# KiCad board VCF_VCA_BBD_board.kicad_pcb (continued)
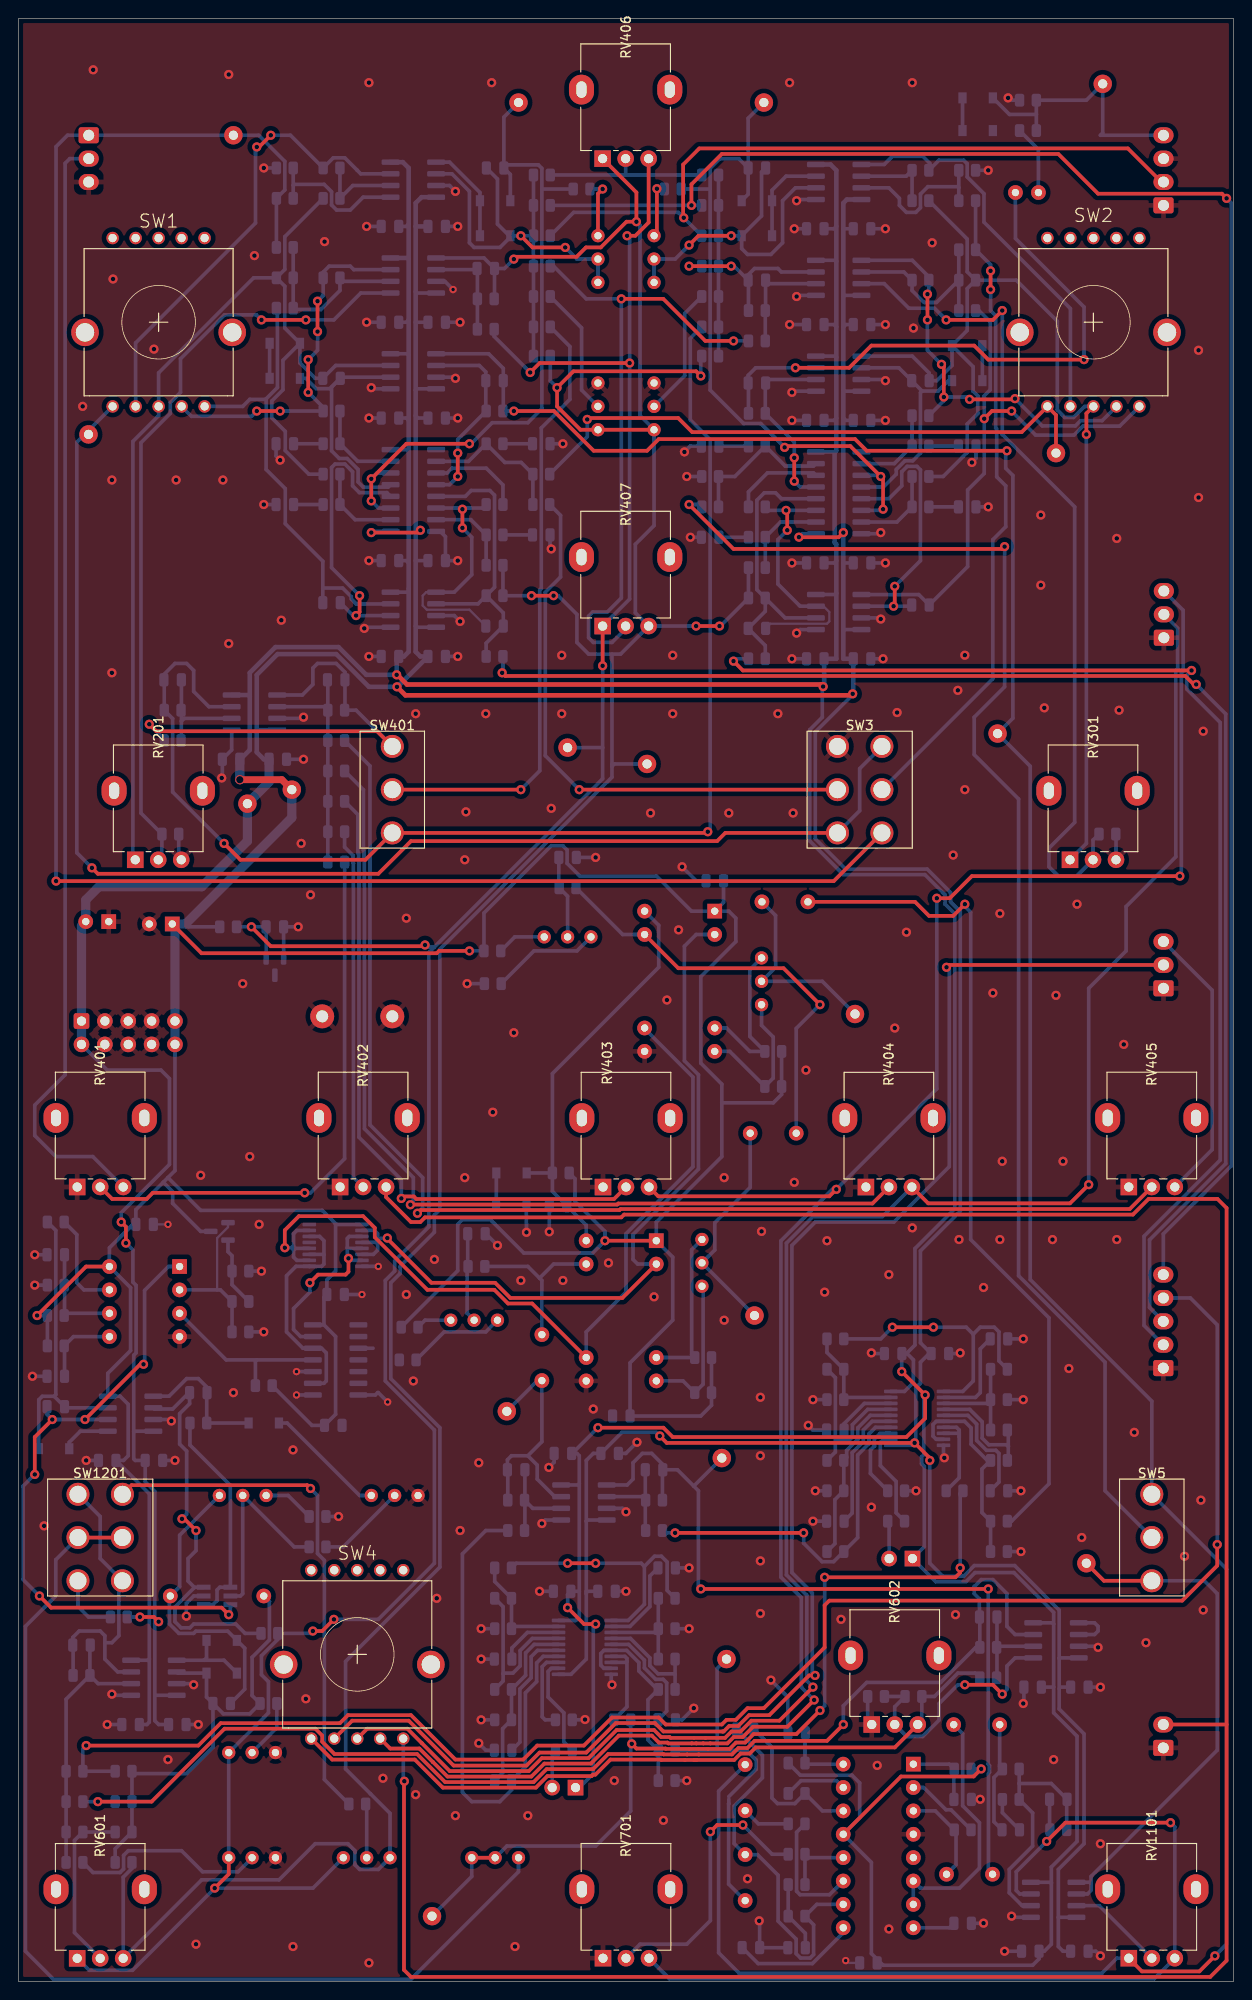
[diagram p0: board, top side]
## Routing (per net, layer and track width the routed paths; a pad name or vN(x,y) marks a point on that pad's centre or on a via; arc(x,y) is an arc through that point) (continued)
  Top w0.4: v1(72.9,186.44) v1(77.47,186.44)
  Bottom w0.4: C402.2 79.35,184.87 R410.2 ; C402.2 79.31,185.49 80.01,186.18 82.55,186.18 82.93,185.8 U7.7 ; C402.2 77.79,186.44 v1(77.47,186.44) ; R416.1 v1(72.9,186.44)
Net-(C403-Pad1): length 12.2
  Bottom w0.4: 23.18,137.29 18.03,137.29 17.71,136.97 ; 17.71,136.97 17.71,134.91 R407.2 ; 17.71,136.97 C403.1
Net-(C403-Pad2): length 143.2
  Top w0.4: v1(74.93,124.97) 74.8,124.84 SW401.1 37.72,121.92 24.13,121.92 v1(22.35,123.7)
  Bottom w0.4: R411.1 73.03,178.59 73.03,169.73 75.18,167.57 75.18,125.22 v1(74.93,124.97) ; v1(22.35,123.7) 16.76,129.29 16.76,137.26 R408.2 15.85,141.44 C403.2 15.81,142.05 17.02,143.26 18.29,143.26 19.05,142.49 19.05,140.21 20.7,138.56 23.18,138.56
Net-(C404-Pad1): length 58
  Top w0.4: v1(77.47,189.74) 73.91,189.74 v1(72.9,188.72)
  Bottom w0.4: D401.2 80.77,191.9 80.77,196.66 C404.1 ; D401.2 78.61,188.34 79.25,187.71 81.79,187.71 83.06,188.98 83.06,193.55 84.45,194.94 U23.6 ; D401.2 R414.2 ; v1(72.9,188.72) 71.38,187.21 RV409.2 RV409.3 ; R415.2 R411.2 R418.1
Net-(C405-Pad1): length 58
  Top w0.4: v1(59.44,188.47) 55.88,188.47 v1(54.61,189.74)
  Bottom w0.4: C405.1 52.07,195.9 52.07,191.01 53.34,189.74 D403.2 ; D403.2 R421.2 ; D403.2 53.47,189.59 52.35,188.47 49.53,188.47 49.02,188.98 49.02,194.56 47.12,196.47 U6.2 ; RV411.3 RV411.2 60.7,187.21 v1(59.44,188.47) ; R422.2 R419.2 R425.2
Net-(C501-Pad1): length 32.1
  Bottom w0.4: U5.2 49.95,149.73 R501.2 ; R502.2 50.84,145.46 52.7,147.32 52.7,148.76 R501.2 ; R501.2 51.75,151.53 51.75,161.54 51.24,162.05 49.21,162.05 48.58,161.42 U3.5
Net-(C501-Pad2): length 28.3
  Top w0.4: v1(48.26,157.99) v1(48.26,160.02)
  Bottom w0.25: U5.1 44.32,151 43.94,150.62 43.94,149.55 44.39,149.1 49.02,149.1 C501.2
  Bottom w0.4: U5.1 47.37,151 49.28,152.91 49.28,156.97 v1(48.26,157.99) ; U3.6 50.46,160.15 R504.1
Net-(C502-Pad1): length 3.2
  Bottom w0.4: C502.1 R503.2
Net-(C503-Pad1): length 3.2
  Bottom w0.4: R508.2 C503.1
Net-(C504-Pad1): length 21.1
  Top w0.4: v1(47.75,163.58) v1(47.75,166.12)
  Bottom w0.4: U4.2 50.1,175.64 50.8,174.94 C504.1 50.8,170.73 R509.1 47.75,167.6 v1(47.75,166.12) ; v1(47.75,163.58) 46.86,162.69 U3.4
Net-(C601-Pad1): length 10.7
  Bottom w0.4: 110.3,36.45 106.45,36.45 R604.1 ; C601.1 106.36,33.06 R603.2
Net-(C701-Pad1): length 5.3
  Bottom w0.4: C701.1 80.43,17.14 R702.2
Net-(C702-Pad1): length 13.6
  Bottom w0.4: U11.9 89.65,5.31 86.3,1.96 80.4,1.96 C702.1
Net-(C703-Pad1): length 7.5
  Bottom w0.4: U11.16 85.61,23.63 R704.2 85.49,27.01 C703.1
Net-(C704-Pad1): length 7.6
  Bottom w0.4: C704.1 85.53,5.25 R705.2 R703.1
Net-(C705-Pad1): length 17.5
  Bottom w0.4: U11.14 87.39,18.55 R706.1 84.39,19.35 82.51,19.35 81.9,19.95 81.9,25.47 C705.1
Net-(C705-Pad2): length 41.9
  Bottom w0.4: U11.10 86.77,8.39 R705.1 86.43,6.17 86.43,2.94 86.05,2.56 85.01,2.56 84.53,3.04 84.53,4.62 82.57,6.58 82.57,11.56 80.33,13.8 C706.2 77.79,15 77.79,19.08 80.86,22.15 80.86,24.61 C705.2
Net-(C801-Pad1): length 12.7
  Bottom w0.4: U12.5 66.33,36.65 68.04,34.94 68.04,34.08 69.27,32.85 70.08,32.85 70.46,32.47 70.46,29.4 C801.1
Net-(C802-Pad1): length 9.7
  Bottom w0.4: C802.1 68.64,44.08 68.64,40.76 66.47,38.6 64.43,38.6
Net-(C803-Pad1): length 7
  Bottom w0.4: U12.18 55.32,37.95 53.63,36.26 C803.1
Net-(C804-Pad1): length 14.3
  Bottom w0.4: C804.1 54.51,26.02 54.51,31.8 55.73,33.02 55.73,35.31 56.42,36 58.71,36
Net-(C805-Pad1): length 11
  Bottom w0.4: C805.1 55.05,49.06 R814.2 ; 58.99,51.44 55.9,51.44 R816.1
Net-(C901-Pad1): length 18.2
  Bottom w0.4: U14.7 58.17,77.98 56.64,76.45 ; 56.64,76.45 56.9,76.2 56.9,70.57 ; 56.64,76.45 55.37,77.72 R903.1
Net-(C902-Pad1): length 9.8
  Bottom w0.4: C902.1 48.83,77.76 R903.2 48.77,77.62 48.77,72.64 RV901.2
Net-(C903-Pad1): length 46.8
  Top w0.4: U15.7 71.73,110.13 83.16,110.13 v1(87.12,106.17)
  Bottom w0.4: C903.1 84.54,103.59 v1(87.12,106.17) ; R908.1 65.68,113.8 U15.7
Net-(C903-Pad2): length 24.4
  Bottom w0.4: TP901.1 80.01,72.4 RV902.2 75.69,79.51 75.69,82.47 79.54,86.32 C903.2
Net-(C904-Pad1): length 9
  Bottom w0.4: C904.1 58.74,118.91 R908.2 59.69,117.96 RV903.2
Net-(C906-Pad2): length 21.5
  Bottom w0.4: TP902.1 87.38,108.71 RV904.2 82.3,110.24 82.3,115.86 C906.2
Net-(C1001-Pad1): length 13.2
  Bottom w0.4: 100.55,61.54 103.2,61.54 104.15,60.59 104.15,58.81 105.22,57.74 106.24,57.74 106.58,57.4 106.58,54.29 C1001.1
Net-(C1002-Pad1): length 10.5
  Bottom w0.4: 100.55,63.49 104.03,63.49 104.54,64.01 104.54,68.77 C1002.1
Net-(C1003-Pad1): length 6.7
  Bottom w0.4: U16.18 91.95,62.84 89.75,60.64 C1003.1
Net-(C1004-Pad1): length 14.1
  Bottom w0.4: 94.82,60.89 92.79,60.89 91.85,59.95 91.85,58.7 90.62,57.48 90.62,50.91 C1004.1
Net-(C1005-Pad1): length 11
  Bottom w0.4: C1005.1 68.14,49.06 R1014.2 ; R1016.1 67.79,52.7 U13.2
Net-(C1101-Pad1): length 10.6
  Bottom w0.4: U11.3 99.66,18.55 R1101.2 101.91,16.31 101.91,12.7 C1101.1
Net-(C1102-Pad1): length 7.2
  Bottom w0.4: 98.06,23.63 101.19,23.63 R1102.2 101.68,23.06 C1102.1
Net-(C1103-Pad1): length 4.6
  Bottom w0.4: U11.8 101.2,5.85 C1103.1
Net-(C1104-Pad1): length 12.3
  Bottom w0.4: C1105.2 106.04,17.37 106.04,22.19 R1103.2 106.65,23.39 C1104.1
Net-(C1104-Pad2): length 27.7
  Bottom w0.4: C1104.2 102.63,26.95 102.63,19.1 104.45,17.28 104.45,12.33 102.29,10.16 98.04,10.16 U11.6 U11.7
Net-(C1105-Pad1): length 4.1
  Bottom w0.4: R1104.2 106.95,18.36 C1105.1
Net-(C1106-Pad2): length 27.3
  Bottom w0.4: 108.77,21.53 R1104.1 110.24,18.33 110.24,14.73 107.7,12.19 107.7,9.65 109.09,8.25 U17.6 ; 108.77,21.53 112.26,21.53 C1106.2 113.94,19.77 R1105.2 ; 108.77,21.53 R1103.1
Net-(C1201-Pad1): length 51.6
  Bottom w0.4: R1225.2 10.52,14.43 R1203.2 12.34,22.61 12.09,22.86 ; R1209.1 27.28,41.3 27.28,37.13 25.4,35.25 25.4,31.09 R1204.2 25.14,29.1 22.27,29.1 C1201.1 ; C1201.1 20.45,30.93 D1203.2 17.33,33.53 17.21,33.66 ; C1201.1 21.15,25.47 18.29,22.61 12.6,22.61 R1201.2
Net-(C1201-Pad2): length 32.3
  Bottom w0.4: C1201.2 24.6,31.78 24.6,36.23 D1204.1 22.75,38.08 19.29,38.08 19.05,37.85 17.44,37.85 16.42,38.87 16.42,41.82 R1209.2 17.53,42.93 17.53,48.52 21.84,52.83 RV1203.3
Net-(C1202-Pad1): length 29.6
  Bottom w0.4: R1210.1 8.66,32.38 U18.6 ; R1210.1 5.18,30.69 R1205.2 R1208.2 ; R1210.1 7.77,36.54 C1202.1
Net-(C1202-Pad2): length 33.5
  Bottom w0.4: SW1201.4 8.89,50.54 8.89,45.97 SW1201.3 10.92,43.18 10.92,37.59 10.16,36.83 9.4,36.83 ; 9.4,36.83 9.4,35.05 10.8,33.66 12.26,33.66 ; 9.4,36.83 9.4,37.59 8.89,38.1 6.6,38.1 5.91,37.4 C1202.2 5.95,36.54 R1210.2
Net-(C1203-Pad1): length 44.1
  Top w0.4: v1(17.78,50.29) 18.03,50.29 v1(19.3,49.02)
  Bottom w0.4: 19.12,42.86 Q1202.6 ; 19.12,42.86 18.44,43.54 18.44,45.97 19.3,46.84 v1(19.3,49.02) ; 19.12,42.86 19.12,42.82 17.02,40.72 17.02,39.12 17.69,38.45 18.63,38.45 19.05,38.86 23.62,38.86 24.64,37.85 R1216.2 ; v1(17.78,50.29) 18.29,50.8 18.29,57.66 17.53,58.42 17.53,61.72 18.61,62.8 C1203.1 18.54,64.01 16.76,62.23 14.79,62.23 U19.2
Net-(C1203-Pad2): length 15.5
  Bottom w0.4: D1201.1 R1219.1 20.47,63.97 C1203.2 20.51,64.58 19.56,65.53 18.29,65.53 16.38,63.63 U19.1
Net-(C1204-Pad1): length 11.6
  Bottom w0.4: C1204.1 5.01,72.43 R1220.1 5.22,72.63 U20.6
Net-(C1205-Pad1): length 73.3
  Top w0.4: v1(22.86,39.88) 22.1,40.64 3.56,40.64 v1(2.29,41.91) ; v1(1.78,55.12) 1.78,59.18 v1(3.68,61.09) ; v1(7.24,61.09) 13.24,67.09 v1(13.6,67.09)
  Bottom w0.4: v1(22.86,39.88) 23.04,40.06 Q1202.3 ; v1(2.29,41.91) 0.51,43.69 0.51,53.85 v1(1.78,55.12) ; U20.1 16.32,77.71 13.72,75.11 13.72,67.2 v1(13.6,67.09) ; C1205.1 3.11,61.66 v1(3.68,61.09) U19.6
Net-(C1205-Pad2): length 32.9
  Bottom w0.4: 3.89,63.61 C1205.2 5.14,62.36 U19.7 ; 3.89,63.61 4.06,63.78 4.06,81.64 R1222.1 ; 3.89,63.61 2.59,63.61 2.21,63.23 2.21,57.92 D1202.1
Net-(C1206-Pad1): length 8.7
  Bottom w0.4: C1206.1 5.01,69.05 R1223.2 5.98,70.09 U20.5
Net-(C1301-Pad1): length 32.6
  Bottom w0.4: R1302.2 81.18,145.2 C1301.1 81.18,148.93 R1301.2 ; R1301.2 80.26,151.28 80.26,160.99 81.07,161.8 82.3,161.8 82.93,161.16 86.68,161.16 ; R1301.2 83.34,148.21 U9.6
Net-(C1301-Pad2): length 29.2
  Top w0.4: v1(83.44,159.89) 83.57,159.77 v1(83.57,157.73)
  Bottom w0.25: U9.7 87.5,149.48 88.14,148.84 88.14,147.83 87.88,147.57 81.72,147.57 C1301.2
  Bottom w0.4: U9.7 84.96,149.48 82.55,151.89 82.55,156.72 v1(83.57,157.73) ; R1304.1 81.56,159.89 U10.11
Net-(C1302-Pad1): length 3.2
  Bottom w0.4: C1302.1 R1303.2
Net-(C1303-Pad1): length 3.2
  Bottom w0.4: R1308.2 C1303.1
Net-(C1304-Pad1): length 20.2
  Top w0.4: v1(84.33,165.61) v1(84.33,163.07)
  Bottom w0.4: U10.13 84.96,162.43 v1(84.33,163.07) ; U8.6 81.59,174.12 C1304.1 81.18,173.7 R1309.1 84.33,167.28 v1(84.33,165.61)
Net-(C1404-Pad1): length 11.1
  Bottom w0.4: R1402.1 49.89,186.14 C1404.1 49.72,186.06 45.4,186.06
Net-(D101-Pad1): length 29.3
  Bottom w0.4: J2.4 117.6,200.66 117.86,200.91 TP107.1 116.08,204.47 R101.1 110.64,202.92 ; 110.64,202.92 107.72,202.92 105.92,204.72 ; 110.64,202.92 R102.2
Net-(D101-Pad2): length 3.6
  Bottom w0.4: D102.2 D101.2
Net-(D201-Pad2): length 3.8
  Bottom w0.4: D201.2 D202.2
Net-(D301-Pad2): length 3.8
  Bottom w0.4: D301.2 D302.2
Net-(D401-Pad1): length 10.3
  Bottom w0.4: U23.7 83.44,196.21 81.91,194.69 D402.2 D401.1
Net-(D403-Pad1): length 10.8
  Bottom w0.4: D403.1 D404.2 50.17,194.44 46.86,197.74 U6.1
Net-(D901-Pad1): length 3.6
  Bottom w0.4: D901.1 51.94,84.35 D902.2
Net-(D1201-Pad2): length 13.3
  Bottom w0.4: D1201.2 29.21,60.71 37.08,52.83 RV1205.3
Net-(D1203-Pad1): length 9.4
  Bottom w0.4: U18.1 20.19,34.92 ; 20.19,34.92 20.45,35.18 D1204.2 ; 20.19,34.92 22.35,34.92 D1203.1
Net-(JP801-Pad2): length 4.2
  Bottom w0.4: JP801.2 58.02,24.79 R817.2
Net-(JP1001-Pad2): length 4.1
  Bottom w0.4: R1017.2 94.64,49.89 JP1001.2
Net-(Q1201-Pad1): length 17.3
  Bottom w0.25: Q1201.1 22.78,81.99 21.6,80.81 21.6,75.17
  Bottom w0.4: R1215.2 R1214.2 21.96,75.17 U20.2
Net-(Q1201-Pad2): length 7.6
  Bottom w0.4: Q1201.2 22.78,79.33 23.22,78.89 R1213.2 23.22,75.74 R1214.1
Net-(Q1202-Pad1): length 24
  Bottom w0.4: Q1202.4 21.15,40.96 21.59,41.4 21.59,42.56 21.89,42.86 Q1202.1 23.04,53.92 18.65,58.32 R1219.2
Net-(Q1202-Pad2): length 21.6
  Bottom w0.4: R1212.2 29.97,47.24 RV1203.2 24.38,42.16 24.13,41.91 Q1202.2
Net-(R201-Pad2): length 19.6
  Bottom w0.4: R201.2 R203.1 30.01,181.73 32.88,181.73 34.95,183.79 R204.1 35.33,184.78 U2.6
Net-(R205-Pad1): length 83.6
  Top w0.4: v1(26.42,180.59) v1(31.24,180.59)
  Bottom w0.4: v1(31.24,180.59) 34.29,180.59 37.21,183.51 40.45,183.51 ; v1(26.42,180.59) 25.87,181.14 22.39,181.14 17.62,176.37 17.62,172.72 16.51,171.61 16.51,170.43 13.32,167.25 13.32,126.99 R205.1 15.6,122.32 RV201.2
Net-(R206-Pad2): length 9.8
  Bottom w0.4: R206.2 R207.1 34.97,167.13 36.88,165.23 U3.15
Net-(R208-Pad2): length 9.4
  Bottom w0.4: R212.1 R208.2 36.35,195.2 U6.6
Net-(R209-Pad2): length 16.5
  Bottom w0.4: U6.5 37.47,193.93 36.07,192.53 34.59,192.53 34.04,193.08 34.04,194.52 33.23,195.33 29.97,195.33 29.87,195.22 ; 29.87,195.22 R210.1 ; 29.87,195.22 R209.2
Net-(R211-Pad2): length 9.5
  Bottom w0.4: U3.10 36.6,158.88 R213.1 R211.2
Net-(R301-Pad2): length 20.2
  Bottom w0.4: R302.2 99.79,182.49 98.43,182.49 97.13,183.79 R304.1 96.24,185.8 U7.2 ; R302.2 R303.1 ; R302.2 R301.2
Net-(R305-Pad1): length 91.2
  Top w0.4: v1(100.84,180.59) 105.92,180.59 v1(106.93,181.61)
  Bottom w0.4: v1(100.84,180.59) 99.57,181.86 96.77,181.86 94.11,184.53 U7.3 ; v1(106.93,181.61) 106.93,168.15 114.81,160.27 114.81,125.98 112.01,123.19 112.01,121.16 113.03,120.14 115.02,120.14 RV301.2 116.8,124.06 R305.1
Net-(R306-Pad2): length 9.6
  Bottom w0.4: R306.2 R307.1 97.11,166.88 95.2,164.97 U10.2
Net-(R308-Pad2): length 9.1
  Bottom w0.4: U23.2 96.5,196.21 R312.1 R308.2
Net-(R309-Pad2): length 17.5
  Bottom w0.4: 102.21,194.97 R310.1 ; 102.21,194.97 R309.2 ; 102.21,194.97 102.11,195.07 98.85,195.07 98.04,194.27 98.04,192.79 97.54,192.28 96.52,192.28 95.76,193.04 95.76,193.8 94.61,194.94 U23.3
Net-(R311-Pad2): length 9.5
  Bottom w0.4: U10.7 95.48,158.62 R313.1 R311.2
Net-(R401-Pad1): length 61.2
  Top w0.4: RV401.2 10.19,85.06 13.94,85.06 14.6,85.72 v1(31.11,85.72)
  Bottom w0.4: v1(31.11,85.72) 31.75,85.72 35.46,89.43 R401.1
Net-(R402-Pad1): length 39.4
  Bottom w0.4: R402.1 35.46,123.3 36.37,122.39 36.37,121.6 36.41,121.56 36.41,87.41 RV402.2
Net-(R403-Pad1): length 70.9
  Top w0.4: v1(41.62,85.11) 41.83,85.33 42.98,85.33 43.26,85.05 64.74,85.05 RV403.2
  Bottom w0.4: R403.1 36.9,126.83 36.9,122.7 36.97,122.63 36.97,121.85 37.01,121.81 37.01,91.76 41.62,87.16 v1(41.62,85.11)
Net-(R404-Pad1): length 103.2
  Top w0.4: RV404.2 92.83,84.56 65.2,84.56 65.09,84.45 42.63,84.45 v1(42.6,84.43)
  Bottom w0.4: R404.1 37.5,129.53 37.5,122.95 37.57,122.88 37.57,122.1 37.61,122.05 37.61,92.69 42.93,87.38 42.93,84.75 v1(42.6,84.43)
Net-(R405-Pad1): length 136.1
  Top w0.4: v1(43.37,83.51) 43.72,83.85 65.34,83.85 65.45,83.96 120.79,83.96 RV405.2
  Bottom w0.4: R405.1 38.21,132.12 38.21,93.11 43.94,87.38 43.94,84.08 v1(43.37,83.51)
Net-(R409-Pad1): length 69.3
  Top w0.4: v1(77.72,178.31) 74.66,178.31 70.09,182.88 v1(65.53,182.88)
  Bottom w0.4: R423.1 58.17,186.44 61.72,182.88 v1(65.53,182.88) 65.53,150.37 64.01,148.84 62.42,148.84 61.98,148.4 61.98,146.05 62.48,145.54 64.52,145.54 66,147.03 RV407.2 ; R409.1 v1(77.72,178.31)
Net-(R412-Pad1): length 6.1
  Top w0.4: v1(69.4,194.85) 69.4,190.06 RV409.1
  Bottom w0.4: R412.1 69.43,194.82 v1(69.4,194.85)
Net-(R415-Pad1): length 18.3
  Bottom w0.4: 66.04,196.34 R422.1 ; 66.04,196.34 66,196.38 RV406.2 ; 66.04,196.34 R415.1
Net-(R417-Pad1): length 14.1
  Bottom w0.4: RV408.2 72.43,174.53 72.43,181.29 R417.1
Net-(R419-Pad1): length 67.4
  Top w0.4: SW401.2 v1(54.61,129.54)
  Bottom w0.4: v1(54.61,129.54) 56.67,131.6 56.67,151.24 56.83,151.41 56.83,168.84 59.94,171.96 59.94,177.7 R419.1
Net-(R424-Pad1): length 14.1
  Bottom w0.4: RV410.2 61.21,172.97 61.21,179.73 R424.1
Net-(R426-Pad1): length 6.7
  Top w0.4: RV411.1 62.99,194.31 v1(63.5,194.82)
  Bottom w0.4: R426.1 v1(63.5,194.82)
Net-(R503-Pad1): length 9.4
  Bottom w0.4: R505.2 R503.1 49.18,158.89 45.41,158.89 U3.7
Net-(R504-Pad2): length 10.4
  Bottom w0.4: R504.2 52.66,162.66 50.85,164.48 47.13,164.48 46.61,163.96 U3.3
Net-(R506-Pad2): length 16
  Bottom w0.4: U3.2 45.41,165.22 48.92,165.22 R508.1 52.87,165.1 54.65,165.1 R507.2 R506.2
Net-(R601-Pad1): length 28.3
  Top w0.4: v1(102.87,32.26) 105.92,32.26 v1(106.93,31.24)
  Bottom w0.4: v1(106.93,31.24) 107.44,31.75 107.44,34.29 108.33,35.18 U24.5 ; v1(102.87,32.26) 102.11,32.26 100.08,30.23 100.08,28.43 98.29,26.64 96.55,26.64 RV602.2 95.25,29.87 R601.1 R602.2
Net-(R701-Pad1): length 7.6
  Bottom w0.4: U11.12 85.87,13.47 R701.1 R703.2
Net-(R701-Pad2): length 30.6
  Top w0.4: v1(78.74,17.02) 75.94,17.02 v1(75.21,16.29)
  Bottom w0.4: v1(75.21,16.29) 75.21,6.63 72.64,4.06 67.56,4.06 RV701.2 ; R701.2 81.92,13.84 v1(78.74,17.02)
Net-(R702-Pad1): length 13.5
  Bottom w0.4: R702.1 84.58,16.23 84.58,9.82 84.96,9.44 88.16,9.44 U11.11
Net-(R706-Pad2): length 6.9
  Bottom w0.4: R706.2 85.05,21.83 88.91,21.83 U11.15
Net-(R801-Pad2): length 22.1
  Bottom w0.4: U12.9 63.64,34.05 63.3,34.39 63.3,35.65 63.64,36 66.11,36 67.44,34.67 67.44,33.76 69.45,31.75 R803.1 68.43,30.63 68.43,26.27 R801.2 R802.1
Net-(R803-Pad2): length 12.4
  Bottom w0.4: 71.37,33.38 R803.2 ; 71.37,33.38 R804.1 ; 71.37,33.38 71.3,33.45 69.52,33.45 68.64,34.33 68.64,35.18 66.52,37.3 U12.4
Net-(R804-Pad2): length 11.9
  Bottom w0.4: R805.1 69.14,37.95 U12.3 ; R805.1 R806.1 ; R805.1 R804.2
Net-(R806-Pad2): length 30.7
  Top w0.4: v1(59.69,45.47) v1(62.74,45.47)
  Bottom w0.4: 68.04,45.13 69.14,46.23 69.89,46.23 70.51,45.6 70.51,42.52 R806.2 ; 68.04,45.13 68.04,41.01 66.27,39.25 U12.1 ; 68.04,45.13 67.7,45.47 v1(62.74,45.47) ; v1(59.69,45.47) 54.1,45.47 R808.1
Net-(R807-Pad2): length 10.8
  Bottom w0.4: U12.8 66.04,34.7 66.14,34.8 ; 66.14,34.8 66.14,29.87 R807.2 ; 66.14,34.8 66.14,35.12 65.91,35.35 U12.7
Net-(R808-Pad2): length 12.6
  Bottom w0.4: R808.2 51.77,43.48 R810.1 R809.1 53.84,38.6 58.71,38.6
Net-(R810-Pad2): length 19.3
  Bottom w0.4: 52.68,33.46 52.75,33.53 53.75,33.53 54.53,34.31 54.53,35.97 55.86,37.3 U12.17 ; 52.68,33.46 52.68,40.74 R810.2 ; 52.68,33.46 52.68,32.66 R811.1
Net-(R811-Pad2): length 19.2
  Bottom w0.4: U12.16 56.05,36.65 55.13,35.72 55.13,33.29 R811.2 R812.1 52.63,27.49 52.63,22.71 R813.1
Net-(R813-Pad2): length 55.8
  Bottom w0.4: U12.14 57.04,35.35 56.33,34.64 56.33,32.6 55.11,31.38 55.11,23.36 R813.2 53.59,20.83 52.32,19.56 49.28,19.56 48.26,20.57 48.26,46.48 50.8,49.02 R814.1
Net-(R815-Pad1): length 9
  Bottom w0.4: R815.1 57.25,28.45 56.93,28.77 56.93,34.22 57.41,34.7 U12.13
Net-(R817-Pad1): length 10.9
  Bottom w0.4: R817.1 59.29,26.06 59.29,29.21 57.57,30.92 57.57,33.7 57.91,34.05 U12.12
Net-(R901-Pad2): length 3.9
  Bottom w0.4: RV901.3 44.2,71.88 R901.2
Net-(R902-Pad1): length 10.6
  Bottom w0.4: RV901.1 50.8,70.61 46.28,70.61 43.23,67.56
Net-(R904-Pad2): length 17.6
  Bottom w0.4: U14.3 73.5,67.82 R904.2 73.17,68.15 73.17,79.53 RV902.1
Net-(R905-Pad2): length 16.7
  Bottom w0.4: U14.4 72.23,65.28 R905.2 74.42,64.92 74.42,75.45 RV902.3
Net-(R906-Pad2): length 5.4
  Bottom w0.4: RV903.3 53.95,113.54 R906.2
Net-(R907-Pad1): length 11.9
  Bottom w0.4: RV903.1 60.71,112.01 56.03,112.01 R907.1
Net-(R909-Pad2): length 17.9
  Bottom w0.4: U15.3 76.96,103.64 79.5,101.09 R909.2 79.5,102.72 79.5,109.98 RV904.1
Net-(R910-Pad2): length 16.8
  Bottom w0.4: RV904.3 80.77,103.93 82.04,102.66 82.04,98.19 R910.2 77.31,101.1 U15.4
Net-(R1001-Pad2): length 22.4
  Bottom w0.4: 100.55,58.94 99.75,58.94 99.41,59.28 99.41,60.55 99.75,60.89 102.84,60.89 103.55,60.17 103.55,58.4 105.31,56.64 R1003.1 104.73,55.7 104.73,50.98 R1001.2 R1002.1
Net-(R1003-Pad2): length 13.1
  Bottom w0.4: 107.59,58.17 107.42,58.34 105.47,58.34 104.75,59.06 104.75,60.84 103.4,62.19 100.55,62.19 ; 107.59,58.17 107.59,59.84 R1004.1 ; 107.59,58.17 107.59,56.75 R1003.2
Net-(R1004-Pad2): length 11.9
  Bottom w0.4: R1006.1 R1004.2 ; 100.55,62.84 105.26,62.84 R1005.1
Net-(R1006-Pad2): length 31.5
  Top w0.4: v1(95,71.12) v1(99.45,71.12)
  Bottom w0.4: 103.78,70.36 103.78,65.28 102.64,64.14 100.55,64.14 ; 103.78,70.36 103.02,71.12 v1(99.45,71.12) ; 103.78,70.36 104.54,71.12 106.07,71.12 106.58,70.61 106.58,67.46 R1006.2 ; R1008.1 93.73,69.85 v1(95,71.12)
Net-(R1007-Pad2): length 11.3
  Bottom w0.4: 102.26,59.18 102.26,59.69 102.16,59.59 100.55,59.59 ; 102.26,59.18 102.26,54.76 R1007.2 ; 102.26,59.18 102.26,59.94 101.96,60.24 100.55,60.24
Net-(R1008-Pad2): length 12.6
  Bottom w0.4: U16.19 89.95,63.49 R1009.1 R1010.1 87.88,68.37 R1008.2
Net-(R1010-Pad2): length 18.9
  Bottom w0.4: 88.8,58.67 88.94,58.82 90.27,58.82 90.65,59.2 90.65,60.52 92.31,62.19 U16.17 ; 88.8,58.67 88.8,57.55 R1011.1 ; 88.8,58.67 88.8,65.64 R1010.2
Net-(R1011-Pad2): length 19
  Bottom w0.4: R1013.1 88.75,47.6 88.75,52.38 R1012.1 R1011.2 90.02,56.95 90.02,57.73 91.25,58.95 91.25,60.19 92.59,61.54 U16.16
Net-(R1013-Pad2): length 38.8
  Top w0.4: v1(85.34,48.77) v1(71.37,48.77)
  Bottom w0.4: v1(85.34,48.77) 85.34,47.64 87.35,45.64 88.61,45.64 R1013.2 91.22,48.25 91.22,57.23 92.45,58.45 92.45,59.53 93.16,60.24 U16.14 ; R1014.1 70.25,48.77 v1(71.37,48.77)
Net-(R1015-Pad1): length 8.6
  Bottom w0.4: U16.13 93.65,59.59 93.04,58.99 93.04,58.21 92.61,57.77 92.61,55.22 R1015.1
Net-(R1017-Pad1): length 10.9
  Bottom w0.4: U16.12 94.03,58.94 93.69,58.6 93.69,56.07 95.4,54.36 95.4,50.95 R1017.1
Net-(R1101-Pad1): length 8.2
  Bottom w0.4: R1101.1 101.37,18.67 100.82,18.67 98.4,21.09 U11.2
Net-(R1204-Pad1): length 6.4
  Bottom w0.4: RV1201.2 28.09,27.58 R1204.1
Net-(R1208-Pad1): length 22.3
  Bottom w0.4: RV1202.2 23.88,11.94 20.02,11.94 17.73,14.22 11.94,14.22 11.43,13.72 11.43,12.24 11.05,11.85 8.11,11.85 R1208.1
Net-(R1211-Pad2): length 5.6
  Bottom w0.4: RV1203.1 29.31,52.83 R1211.2
Net-(R1212-Pad1): length 9.8
  Bottom w0.4: RV1205.2 35.31,47.24 R1212.1
Net-(R1217-Pad1): length 57
  Top w0.4: v1(31.75,53.59) 31.39,53.95 12.3,53.95 SW1201.1
  Bottom w0.4: R1217.1 33.25,21.97 33.25,45.78 32.51,46.53 32.51,52.83 v1(31.75,53.59)
Net-(R1217-Pad2): length 5.9
  Bottom w0.4: R1217.2 37.86,19.19 RV1206.2
Net-(R1218-Pad2): length 6.8
  Bottom w0.4: SW1201.6 6.48,40.77 7.62,39.62 R1218.2
Net-(R1222-Pad2): length 11
  Bottom w0.4: R1222.2 6.35,81.18 6.35,75.95 7.12,75.17 U20.7
Net-(R1224-Pad1): length 19.4
  Bottom w0.4: R1224.1 25.76,67.41 25.91,67.56 ; 25.91,67.56 22.59,67.56 U20.3 ; 25.91,67.56 U21.11
Net-(R1303-Pad1): length 9.5
  Bottom w0.4: R1305.2 R1303.1 82.84,158.63 86.67,158.63 U10.10
Net-(R1304-Pad2): length 9.9
  Bottom w0.4: U10.14 86.41,163.97 81.42,163.97 79.35,161.9 R1304.2
Net-(R1306-Pad2): length 16.3
  Bottom w0.4: R1306.2 R1307.2 77.87,163.58 R1308.1 83.35,164.71 86.41,164.71 U10.15
Net-(RV1101-Pad2): length 10.6
  Bottom w0.4: RV1101.2 117.48,8.25 U17.3
Net-(RV1204-Pad1): length 113.4
  Top w0.4: SW1201.2 SW1201.5
  Bottom w0.4: SW1201.5 4.06,45.85 4.06,41.91 0.76,38.61 0.76,3.3 3.81,0.25 42.67,0.25 54.36,11.94 RV1204.1
Net-(U21-Pad12): length 26.5
  Bottom w0.4: U22.14 32.74,80.98 33.21,80.52 33.21,78.99 ; 33.21,78.99 33.17,79.03 U22.11 ; 33.21,78.99 33.21,77.98 32.95,77.72 31.63,77.72 U22.9 30.17,77.73 29.14,76.71 29.14,70.61 30.92,68.83 U21.12 32.95,68.83 33.46,68.33 33.46,65.28 33.21,65.02 U21.9
Net-(U21-Pad13): length 21.4
  Top w0.4: v1(35.88,78.6) 35.88,77.15 35.56,76.83 32.57,76.83 v1(31.68,75.95)
  Bottom w0.4: 35.75,79.76 35.75,78.74 36.1,78.38 U22.7 ; 35.75,79.76 35.75,80.77 35.96,80.98 U22.3 ; 35.75,79.76 35.82,79.69 U22.5 ; U21.13 30.67,70.1 29.91,70.87 29.91,73.15 31.68,74.93 v1(31.68,75.95)
Net-(U24-Pad1): length 5
  Bottom w0.4: U24.1 116.97,38.99 117.35,38.61 117.35,38.1 116.97,37.72 U24.2

## Copper pours and planes (outline as drawn; the poured copper is in the pictures)
GND on Top: 144.78,-10.16 -12.7,-10.16 -12.7,223.52 144.78,223.52
GND on Bottom: 157.48,-20.32 -22.86,-20.32 -22.86,236.22 157.48,236.22
